# KiCad board ludeled.kicad_pcb (continued)
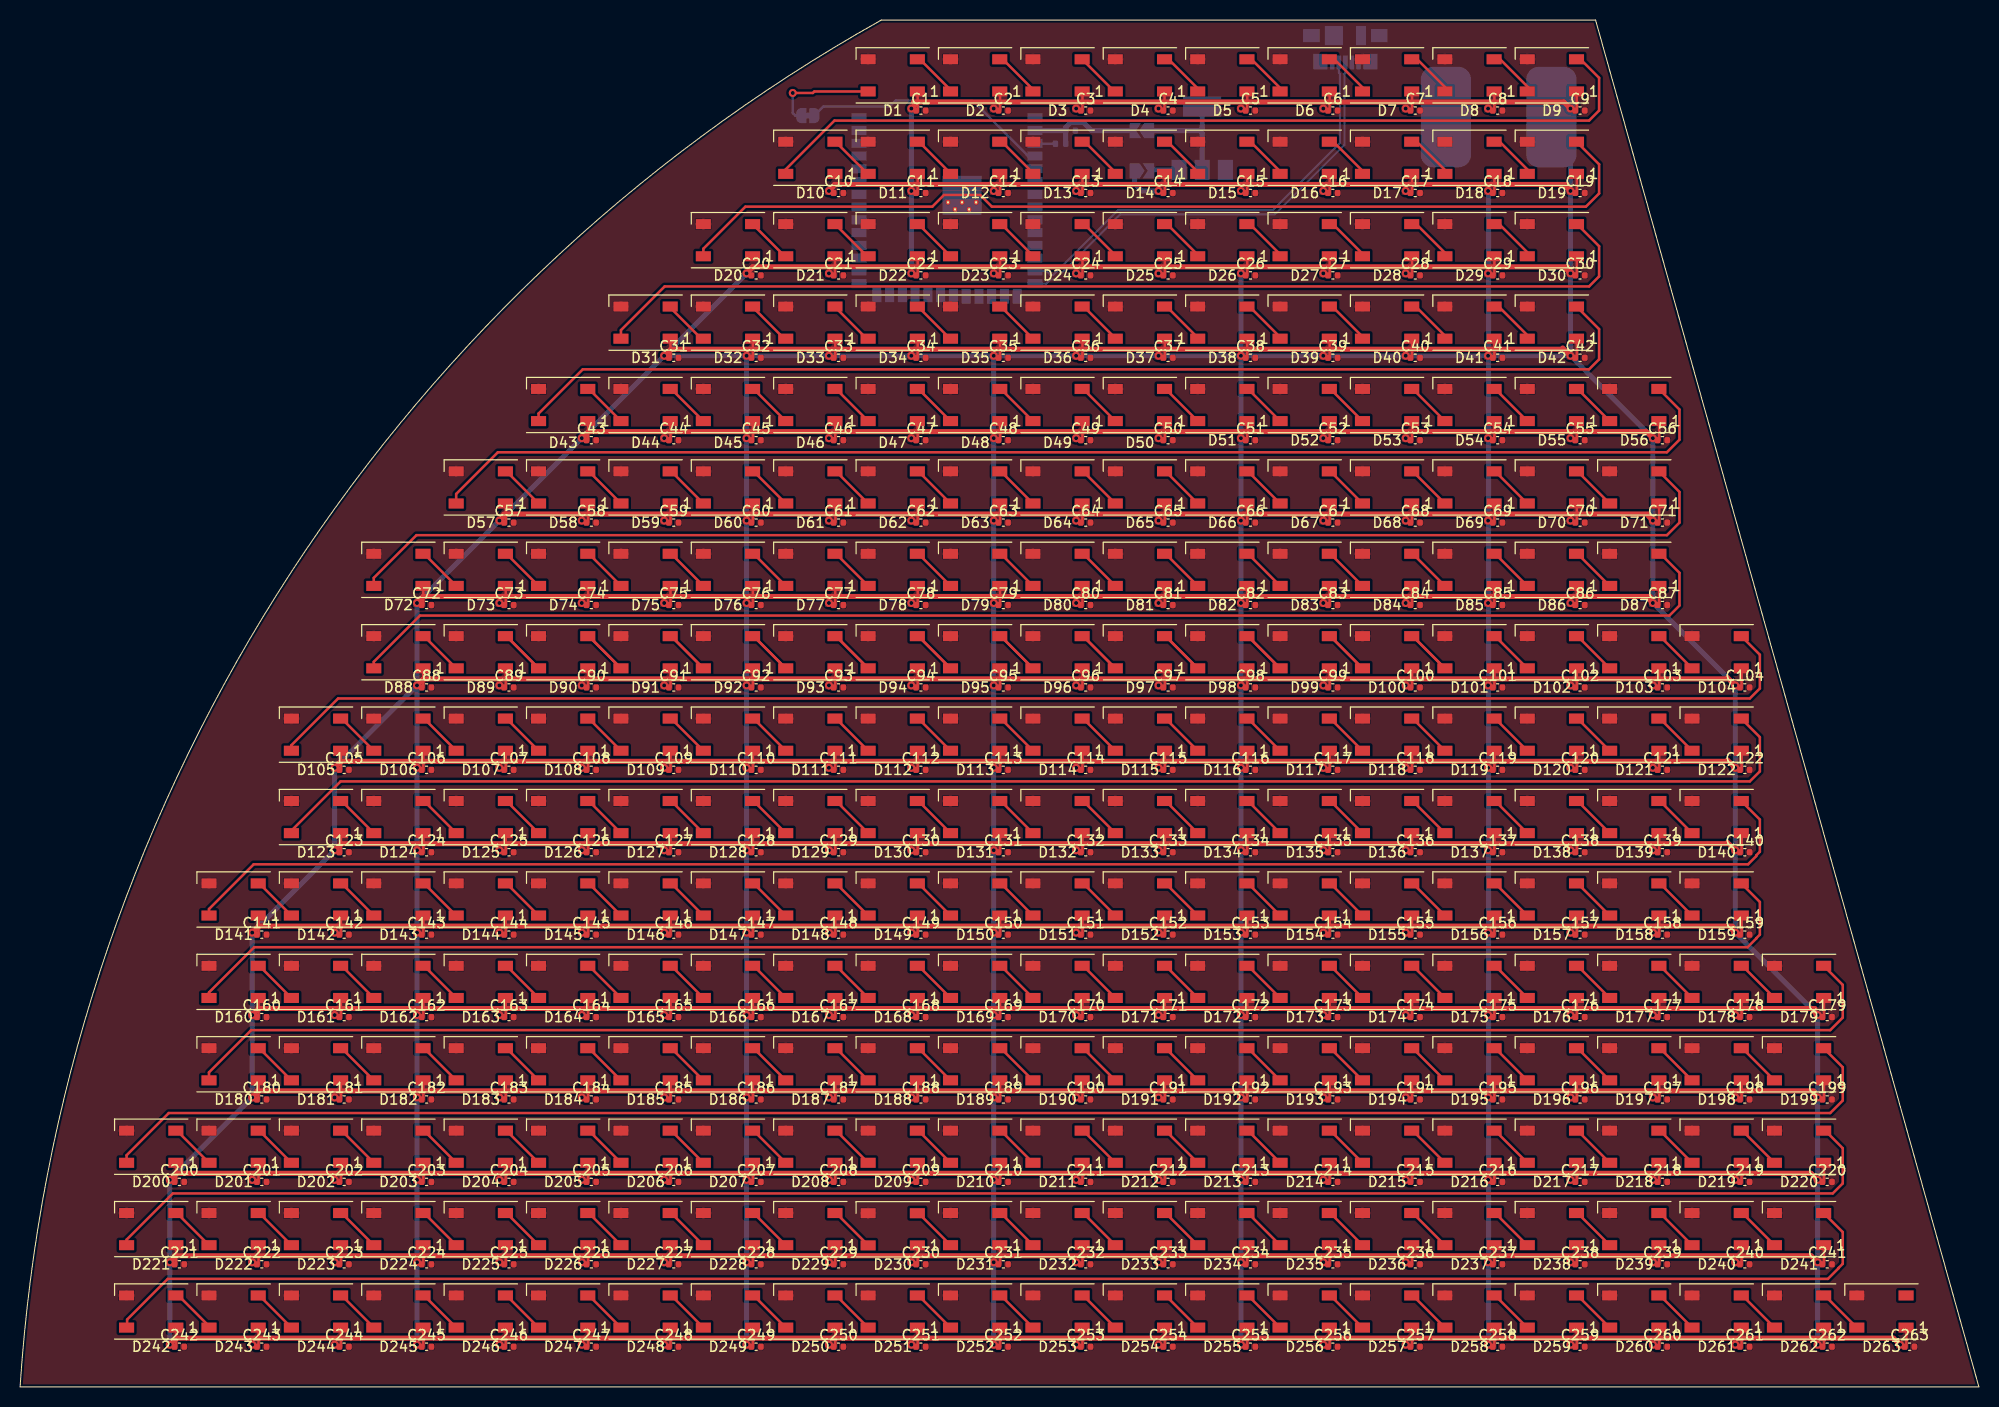
[diagram p0: board, top side]
## Routing (per net, layer and track width the routed paths; a pad name or vN(x,y) marks a point on that pad's centre or on a via; arc(x,y) is an arc through that point) (continued)
  Top w0.25: D127.2 64.8,58.3 D128.4
Net-(D128-Pad2): length 4.6
  Top w0.25: D128.2 73,58.3 D129.4
Net-(D129-Pad2): length 4.6
  Top w0.25: D130.4 81.2,58.3 D129.2
Net-(D130-Pad2): length 4.6
  Top w0.25: D130.2 89.4,58.3 D131.4
Net-(D131-Pad2): length 4.6
  Top w0.25: D131.2 97.6,58.3 D132.4
Net-(D132-Pad2): length 4.6
  Top w0.25: D132.2 105.8,58.3 D133.4
Net-(D133-Pad2): length 4.6
  Top w0.25: D133.2 114,58.3 D134.4
Net-(D134-Pad2): length 4.6
  Top w0.25: D134.2 122.2,58.3 D135.4
Net-(D135-Pad2): length 4.6
  Top w0.25: D136.4 130.4,58.3 D135.2
Net-(D136-Pad2): length 4.6
  Top w0.25: D137.4 138.6,58.3 D136.2
Net-(D137-Pad2): length 4.6
  Top w0.25: D137.2 146.8,58.3 D138.4
Net-(D138-Pad2): length 4.6
  Top w0.25: D138.2 155,58.3 D139.4
Net-(D139-Pad2): length 4.6
  Top w0.25: D139.2 163.2,58.3 D140.4
Net-(D140-Pad2): length 163.2
  Top w0.25: D140.2 173.15,56.45 173.15,53.25 172.79,52.89 172.79,52.82 171.97,52 23.25,52 18.8,47.55 D141.4
Net-(D141-Pad2): length 4.6
  Top w0.25: D142.4 23.8,50.1 D141.2
Net-(D142-Pad2): length 4.6
  Top w0.25: D143.4 32,50.1 D142.2
Net-(D143-Pad2): length 4.6
  Top w0.25: D143.2 40.2,50.1 D144.4
Net-(D144-Pad2): length 4.6
  Top w0.25: D144.2 48.4,50.1 D145.4
Net-(D145-Pad2): length 4.6
  Top w0.25: D146.4 56.6,50.1 D145.2
Net-(D146-Pad2): length 4.6
  Top w0.25: D147.4 64.8,50.1 D146.2
Net-(D147-Pad2): length 4.6
  Top w0.25: D148.4 73,50.1 D147.2
Net-(D148-Pad2): length 4.6
  Top w0.25: D148.2 81.2,50.1 D149.4
Net-(D149-Pad2): length 4.6
  Top w0.25: D149.2 89.4,50.1 D150.4
Net-(D150-Pad2): length 4.6
  Top w0.25: D151.4 97.6,50.1 D150.2
Net-(D151-Pad2): length 4.6
  Top w0.25: D151.2 105.8,50.1 D152.4
Net-(D152-Pad2): length 4.6
  Top w0.25: D152.2 114,50.1 D153.4
Net-(D153-Pad2): length 4.6
  Top w0.25: D153.2 122.2,50.1 D154.4
Net-(D154-Pad2): length 4.6
  Top w0.25: D154.2 130.4,50.1 D155.4
Net-(D155-Pad2): length 4.6
  Top w0.25: D155.2 138.6,50.1 D156.4
Net-(D156-Pad2): length 4.6
  Top w0.25: D157.4 146.8,50.1 D156.2
Net-(D157-Pad2): length 4.6
  Top w0.25: D158.4 155,50.1 D157.2
Net-(D158-Pad2): length 4.6
  Top w0.25: D159.4 163.2,50.1 D158.2
Net-(D159-Pad2): length 163.2
  Top w0.25: D160.4 18.8,39.25 23.3,43.75 171.92,43.75 172.79,44.62 172.79,44.64 173.15,45 173.15,48.25 D159.2
Net-(D160-Pad2): length 4.6
  Top w0.25: D160.2 23.8,41.9 D161.4
Net-(D161-Pad2): length 4.6
  Top w0.25: D162.4 32,41.9 D161.2
Net-(D162-Pad2): length 4.6
  Top w0.25: D163.4 40.2,41.9 D162.2
Net-(D163-Pad2): length 4.6
  Top w0.25: D163.2 48.4,41.9 D164.4
Net-(D164-Pad2): length 4.6
  Top w0.25: D165.4 56.6,41.9 D164.2
Net-(D165-Pad2): length 4.6
  Top w0.25: D166.4 64.8,41.9 D165.2
Net-(D166-Pad2): length 4.6
  Top w0.25: D166.2 73,41.9 D167.4
Net-(D167-Pad2): length 4.6
  Top w0.25: D168.4 81.2,41.9 D167.2
Net-(D168-Pad2): length 4.6
  Top w0.25: D168.2 89.4,41.9 D169.4
Net-(D169-Pad2): length 4.6
  Top w0.25: D170.4 97.6,41.9 D169.2
Net-(D170-Pad2): length 4.6
  Top w0.25: D170.2 105.8,41.9 D171.4
Net-(D171-Pad2): length 4.6
  Top w0.25: D172.4 114,41.9 D171.2
Net-(D172-Pad2): length 4.6
  Top w0.25: D173.4 122.2,41.9 D172.2
Net-(D173-Pad2): length 4.6
  Top w0.25: D174.4 130.4,41.9 D173.2
Net-(D174-Pad2): length 4.6
  Top w0.25: D174.2 138.6,41.9 D175.4
Net-(D175-Pad2): length 4.6
  Top w0.25: D175.2 146.8,41.9 D176.4
Net-(D176-Pad2): length 4.6
  Top w0.25: D176.2 155,41.9 D177.4
Net-(D177-Pad2): length 4.6
  Top w0.25: D178.4 163.2,41.9 D177.2
Net-(D178-Pad2): length 4.6
  Top w0.25: D178.2 171.4,41.9 D179.4
Net-(D179-Pad2): length 171.6
  Top w0.25: D179.2 181.4,40 181.4,36.75 180.15,35.5 23,35.5 18.8,31.3 D180.4
Net-(D180-Pad2): length 4.6
  Top w0.25: D181.4 23.8,33.7 D180.2
Net-(D181-Pad2): length 4.6
  Top w0.25: D181.2 32,33.7 D182.4
Net-(D182-Pad2): length 4.6
  Top w0.25: D182.2 40.2,33.7 D183.4
Net-(D183-Pad2): length 4.6
  Top w0.25: D184.4 48.4,33.7 D183.2
Net-(D184-Pad2): length 4.6
  Top w0.25: D184.2 56.6,33.7 D185.4
Net-(D185-Pad2): length 4.6
  Top w0.25: D186.4 64.8,33.7 D185.2
Net-(D186-Pad2): length 4.6
  Top w0.25: D187.4 73,33.7 D186.2
Net-(D187-Pad2): length 4.6
  Top w0.25: D188.4 81.2,33.7 D187.2
Net-(D188-Pad2): length 4.6
  Top w0.25: D188.2 89.4,33.7 D189.4
Net-(D189-Pad2): length 4.6
  Top w0.25: D190.4 97.6,33.7 D189.2
Net-(D190-Pad2): length 4.6
  Top w0.25: D191.4 105.8,33.7 D190.2
Net-(D191-Pad2): length 4.6
  Top w0.25: D191.2 114,33.7 D192.4
Net-(D192-Pad2): length 4.6
  Top w0.25: D193.4 122.2,33.7 D192.2
Net-(D193-Pad2): length 4.6
  Top w0.25: D193.2 130.4,33.7 D194.4
Net-(D194-Pad2): length 4.6
  Top w0.25: D195.4 138.6,33.7 D194.2
Net-(D195-Pad2): length 4.6
  Top w0.25: D195.2 146.8,33.7 D196.4
Net-(D196-Pad2): length 4.6
  Top w0.25: D197.4 155,33.7 D196.2
Net-(D197-Pad2): length 4.6
  Top w0.25: D197.2 163.2,33.7 D198.4
Net-(D198-Pad2): length 4.6
  Top w0.25: D199.4 171.4,33.7 D198.2
Net-(D199-Pad2): length 179.8
  Top w0.25: D200.4 10.6,23.05 14.8,27.25 180.15,27.25 181.4,28.5 181.4,31.8 D199.2
Net-(D200-Pad2): length 4.6
  Top w0.25: D200.2 15.6,25.5 D201.4
Net-(D201-Pad2): length 4.6
  Top w0.25: D202.4 23.8,25.5 D201.2
Net-(D202-Pad2): length 4.6
  Top w0.25: D202.2 32,25.5 D203.4
Net-(D203-Pad2): length 4.6
  Top w0.25: D204.4 40.2,25.5 D203.2
Net-(D204-Pad2): length 4.6
  Top w0.25: D204.2 48.4,25.5 D205.4
Net-(D205-Pad2): length 4.6
  Top w0.25: D206.4 56.6,25.5 D205.2
Net-(D206-Pad2): length 4.6
  Top w0.25: D206.2 64.8,25.5 D207.4
Net-(D207-Pad2): length 4.6
  Top w0.25: D207.2 73,25.5 D208.4
Net-(D208-Pad2): length 4.6
  Top w0.25: D209.4 81.2,25.5 D208.2
Net-(D209-Pad2): length 4.6
  Top w0.25: D209.2 89.4,25.5 D210.4
Net-(D210-Pad2): length 4.6
  Top w0.25: D210.2 97.6,25.5 D211.4
Net-(D211-Pad2): length 4.6
  Top w0.25: D212.4 105.8,25.5 D211.2
Net-(D212-Pad2): length 4.6
  Top w0.25: D213.4 114,25.5 D212.2
Net-(D213-Pad2): length 4.6
  Top w0.25: D213.2 122.2,25.5 D214.4
Net-(D214-Pad2): length 4.6
  Top w0.25: D214.2 130.4,25.5 D215.4
Net-(D215-Pad2): length 4.6
  Top w0.25: D215.2 138.6,25.5 D216.4
Net-(D216-Pad2): length 4.6
  Top w0.25: D217.4 146.8,25.5 D216.2
Net-(D217-Pad2): length 4.6
  Top w0.25: D218.4 155,25.5 D217.2
Net-(D218-Pad2): length 4.6
  Top w0.25: D218.2 163.2,25.5 D219.4
Net-(D219-Pad2): length 4.6
  Top w0.25: D220.4 171.4,25.5 D219.2
Net-(D220-Pad2): length 179.8
  Top w0.25: D221.4 10.6,14.65 15.2,19.25 180.4,19.25 181.4,20.25 181.4,23.75 179.65,25.5 D220.2
Net-(D221-Pad2): length 4.6
  Top w0.25: D222.4 15.6,17.3 D221.2
Net-(D222-Pad2): length 4.6
  Top w0.25: D223.4 23.8,17.3 D222.2
Net-(D223-Pad2): length 4.6
  Top w0.25: D224.4 32,17.3 D223.2
Net-(D224-Pad2): length 4.6
  Top w0.25: D225.4 40.2,17.3 D224.2
Net-(D225-Pad2): length 4.6
  Top w0.25: D225.2 48.4,17.3 D226.4
Net-(D226-Pad2): length 4.6
  Top w0.25: D226.2 56.6,17.3 D227.4
Net-(D227-Pad2): length 4.6
  Top w0.25: D227.2 64.8,17.3 D228.4
Net-(D228-Pad2): length 4.6
  Top w0.25: D228.2 73,17.3 D229.4
Net-(D229-Pad2): length 4.6
  Top w0.25: 84.4,14.1 81.2,17.3 D229.2
Net-(D230-Pad2): length 4.6
  Top w0.25: 89.3,17.3 89.4,17.3 D231.4
Net-(D231-Pad2): length 4.6
  Top w0.25: D231.2 97.6,17.3 D232.4
Net-(D232-Pad2): length 4.6
  Top w0.25: D233.4 105.8,17.3 D232.2
Net-(D233-Pad2): length 4.6
  Top w0.25: D233.2 114,17.3 D234.4
Net-(D234-Pad2): length 4.6
  Top w0.25: D235.4 122.2,17.3 D234.2
Net-(D235-Pad2): length 4.6
  Top w0.25: D235.2 130.4,17.3 D236.4
Net-(D236-Pad2): length 4.6
  Top w0.25: D237.4 138.6,17.3 D236.2
Net-(D237-Pad2): length 4.6
  Top w0.25: D238.4 146.8,17.3 D237.2
Net-(D238-Pad2): length 4.6
  Top w0.25: D239.4 155,17.3 D238.2
Net-(D239-Pad2): length 4.6
  Top w0.25: D239.2 163.2,17.3 D240.4
Net-(D240-Pad2): length 4.6
  Top w0.25: D240.2 171.4,17.3 D241.4
Net-(D241-Pad2): length 179.5
  Top w0.25: 10.65,6.11 10.65,6.7 14.7,10.75 179.92,10.75 180.99,11.82 180.99,11.84 181.4,12.25 181.4,15.4 D241.2
Net-(D242-Pad2): length 4.7
  Top w0.25: D243.4 18.8,6.05 15.75,9.1 D242.2
Net-(D243-Pad2): length 4.6
  Top w0.25: D243.2 23.8,9.1 D244.4
Net-(D244-Pad2): length 4.6
  Top w0.25: D244.2 32,9.1 D245.4
Net-(D245-Pad2): length 4.6
  Top w0.25: D246.4 40.2,9.1 D245.2
Net-(D246-Pad2): length 4.6
  Top w0.25: D246.2 48.4,9.1 D247.4
Net-(D247-Pad2): length 4.6
  Top w0.25: D247.2 56.6,9.1 D248.4
Net-(D248-Pad2): length 4.6
  Top w0.25: D248.2 64.8,9.1 D249.4
Net-(D249-Pad2): length 4.6
  Top w0.25: D250.4 73,9.1 D249.2
Net-(D250-Pad2): length 4.6
  Top w0.25: D251.4 81.2,9.1 D250.2
Net-(D251-Pad2): length 4.6
  Top w0.25: D252.4 89.4,9.1 D251.2
Net-(D252-Pad2): length 4.6
  Top w0.25: D252.2 97.6,9.1 D253.4
Net-(D253-Pad2): length 4.6
  Top w0.25: D254.4 105.8,9.1 D253.2
Net-(D254-Pad2): length 4.6
  Top w0.25: D254.2 114,9.1 D255.4
Net-(D255-Pad2): length 4.6
  Top w0.25: D255.2 122.2,9.1 D256.4
Net-(D256-Pad2): length 4.6
  Top w0.25: D257.4 130.4,9.1 D256.2
Net-(D257-Pad2): length 4.6
  Top w0.25: D257.2 138.6,9.1 D258.4
Net-(D258-Pad2): length 4.6
  Top w0.25: D259.4 146.8,9.1 D258.2
Net-(D259-Pad2): length 4.6
  Top w0.25: D260.4 155,9.1 D259.2
Net-(D260-Pad2): length 4.6
  Top w0.25: D261.4 163.2,9.1 D260.2
Net-(D261-Pad2): length 4.6
  Top w0.25: D261.2 171.4,9.1 D262.4
Net-(D262-Pad2): length 4.6
  Top w0.25: D263.4 179.6,9.1 D262.2
Net-(R1-Pad2): length 2.1
  Bottom w0.25: U1.3 101.05,123.7 R1.2

## Copper pours and planes (outline as drawn; the poured copper is in the pictures)
+5V on Top: 90.05,95.4 89.55,94.88 89.55,94 88.3,94 88.3,94.6 89.1,95.6 90.05,95.6
+5V on Top: 32.65,54.4 32.15,53.88 32.15,53 30.9,53 30.9,53.6 31.7,54.6 32.65,54.6
+5V on Top: 90.05,13.4 89.55,12.88 89.55,12 88.3,12 88.3,12.6 89.1,13.6 90.05,13.6
+5V on Top: 16.25,21.6 15.75,21.08 15.75,20.2 14.5,20.2 14.5,20.8 15.3,21.8 16.25,21.8
+5V on Top: 172.05,62.6 171.55,62.08 171.55,61.2 170.3,61.2 170.3,61.8 171.1,62.8 172.05,62.8
+5V on Top: 188.45,5.2 187.95,4.68 187.95,3.8 186.7,3.8 186.7,4.4 187.5,5.4 188.45,5.4
+5V on Top: 81.85,79 81.35,78.47 81.35,77.6 80.1,77.6 80.1,78.2 80.9,79.2 81.85,79.2
+5V on Top: 57.25,38 56.75,37.47 56.75,36.6 55.5,36.6 55.5,37.2 56.3,38.2 57.25,38.2
+5V on Top: 90.05,103.6 89.55,103.08 89.55,102.2 88.3,102.2 88.3,102.8 89.1,103.8 90.05,103.8
+5V on Top: 106.45,46.2 105.95,45.67 105.95,44.8 104.7,44.8 104.7,45.4 105.5,46.4 106.45,46.4
+5V on Top: 131.05,46.2 130.55,45.67 130.55,44.8 129.3,44.8 129.3,45.4 130.1,46.4 131.05,46.4
+5V on Top: 163.85,95.4 163.35,94.88 163.35,94 162.1,94 162.1,94.6 162.9,95.6 163.85,95.6
+5V on Top: 65.45,103.6 64.95,103.08 64.95,102.2 63.7,102.2 63.7,102.8 64.5,103.8 65.45,103.8
+5V on Top: 90.05,120 89.55,119.47 89.55,118.6 88.3,118.6 88.3,119.2 89.1,120.2 90.05,120.2
+5V on Top: 90.05,46.2 89.55,45.67 89.55,44.8 88.3,44.8 88.3,45.4 89.1,46.4 90.05,46.4
+5V on Top: 122.85,54.4 122.35,53.88 122.35,53 121.1,53 121.1,53.6 121.9,54.6 122.85,54.6
+5V on Top: 172.05,13.4 171.55,12.88 171.55,12 170.3,12 170.3,12.6 171.1,13.6 172.05,13.6
+5V on Top: 73.65,54.4 73.15,53.88 73.15,53 71.9,53 71.9,53.6 72.7,54.6 73.65,54.6
+5V on Top: 122.85,120 122.35,119.47 122.35,118.6 121.1,118.6 121.1,119.2 121.9,120.2 122.85,120.2
+5V on Top: 90.05,128.2 89.55,127.67 89.55,126.8 88.3,126.8 88.3,127.4 89.1,128.4 90.05,128.4
+5V on Top: 98.25,128.2 97.75,127.67 97.75,126.8 96.5,126.8 96.5,127.4 97.3,128.4 98.25,128.4
+5V on Top: 114.65,95.4 114.15,94.88 114.15,94 112.9,94 112.9,94.6 113.7,95.6 114.65,95.6
+5V on Top: 180.25,5.2 179.75,4.68 179.75,3.8 178.5,3.8 178.5,4.4 179.3,5.4 180.25,5.4
+5V on Top: 32.65,5.2 32.15,4.68 32.15,3.8 30.9,3.8 30.9,4.4 31.7,5.4 32.65,5.4
+5V on Top: 65.45,70.8 64.95,70.28 64.95,69.4 63.7,69.4 63.7,70 64.5,71 65.45,71
+5V on Top: 114.65,21.6 114.15,21.08 114.15,20.2 112.9,20.2 112.9,20.8 113.7,21.8 114.65,21.8
+5V on Top: 155.65,70.8 155.15,70.28 155.15,69.4 153.9,69.4 153.9,70 154.7,71 155.65,71
+5V on Top: 131.05,38 130.55,37.47 130.55,36.6 129.3,36.6 129.3,37.2 130.1,38.2 131.05,38.2
+5V on Top: 172.05,70.8 171.55,70.28 171.55,69.4 170.3,69.4 170.3,70 171.1,71 172.05,71
+5V on Top: 57.25,87.2 56.75,86.67 56.75,85.8 55.5,85.8 55.5,86.4 56.3,87.4 57.25,87.4
+5V on Top: 106.45,128.2 105.95,127.67 105.95,126.8 104.7,126.8 104.7,127.4 105.5,128.4 106.45,128.4
+5V on Top: 114.65,103.6 114.15,103.08 114.15,102.2 112.9,102.2 112.9,102.8 113.7,103.8 114.65,103.8
+5V on Top: 163.85,62.6 163.35,62.08 163.35,61.2 162.1,61.2 162.1,61.8 162.9,62.8 163.85,62.8
+5V on Top: 163.85,87.2 163.35,86.67 163.35,85.8 162.1,85.8 162.1,86.4 162.9,87.4 163.85,87.4
+5V on Top: 98.25,54.4 97.75,53.88 97.75,53 96.5,53 96.5,53.6 97.3,54.6 98.25,54.6
+5V on Top: 106.45,111.8 105.95,111.28 105.95,110.4 104.7,110.4 104.7,111 105.5,112 106.45,112
+5V on Top: 73.65,79 73.15,78.47 73.15,77.6 71.9,77.6 71.9,78.2 72.7,79.2 73.65,79.2
+5V on Top: 106.45,95.4 105.95,94.88 105.95,94 104.7,94 104.7,94.6 105.5,95.6 106.45,95.6
+5V on Top: 147.45,54.4 146.95,53.88 146.95,53 145.7,53 145.7,53.6 146.5,54.6 147.45,54.6
+5V on Top: 24.45,38 23.95,37.47 23.95,36.6 22.7,36.6 22.7,37.2 23.5,38.2 24.45,38.2
+5V on Top: 163.85,46.2 163.35,45.67 163.35,44.8 162.1,44.8 162.1,45.4 162.9,46.4 163.85,46.4
+5V on Top: 65.45,79 64.95,78.47 64.95,77.6 63.7,77.6 63.7,78.2 64.5,79.2 65.45,79.2
+5V on Top: 90.05,111.8 89.55,111.28 89.55,110.4 88.3,110.4 88.3,111 89.1,112 90.05,112
+5V on Top: 155.65,128.2 155.15,127.67 155.15,126.8 153.9,126.8 153.9,127.4 154.7,128.4 155.65,128.4
+5V on Top: 155.65,29.8 155.15,29.28 155.15,28.4 153.9,28.4 153.9,29 154.7,30 155.65,30
+5V on Top: 16.25,13.4 15.75,12.88 15.75,12 14.5,12 14.5,12.6 15.3,13.6 16.25,13.6
+5V on Top: 40.85,62.6 40.35,62.08 40.35,61.2 39.1,61.2 39.1,61.8 39.9,62.8 40.85,62.8
+5V on Top: 73.65,38 73.15,37.47 73.15,36.6 71.9,36.6 71.9,37.2 72.7,38.2 73.65,38.2
+5V on Top: 81.85,21.6 81.35,21.08 81.35,20.2 80.1,20.2 80.1,20.8 80.9,21.8 81.85,21.8
+5V on Top: 106.45,38 105.95,37.47 105.95,36.6 104.7,36.6 104.7,37.2 105.5,38.2 106.45,38.2
+5V on Top: 147.45,87.2 146.95,86.67 146.95,85.8 145.7,85.8 145.7,86.4 146.5,87.4 147.45,87.4
+5V on Top: 131.05,79 130.55,78.47 130.55,77.6 129.3,77.6 129.3,78.2 130.1,79.2 131.05,79.2
+5V on Top: 57.25,21.6 56.75,21.08 56.75,20.2 55.5,20.2 55.5,20.8 56.3,21.8 57.25,21.8
+5V on Top: 122.85,111.8 122.35,111.28 122.35,110.4 121.1,110.4 121.1,111 121.9,112 122.85,112
+5V on Top: 106.45,79 105.95,78.47 105.95,77.6 104.7,77.6 104.7,78.2 105.5,79.2 106.45,79.2
+5V on Top: 24.45,13.4 23.95,12.88 23.95,12 22.7,12 22.7,12.6 23.5,13.6 24.45,13.6
+5V on Top: 40.85,46.2 40.35,45.67 40.35,44.8 39.1,44.8 39.1,45.4 39.9,46.4 40.85,46.4
+5V on Top: 147.45,111.8 146.95,111.28 146.95,110.4 145.7,110.4 145.7,111 146.5,112 147.45,112
+5V on Top: 180.25,38 179.75,37.47 179.75,36.6 178.5,36.6 178.5,37.2 179.3,38.2 180.25,38.2
+5V on Top: 90.05,21.6 89.55,21.08 89.55,20.2 88.3,20.2 88.3,20.8 89.1,21.8 90.05,21.8
+5V on Top: 90.05,38 89.55,37.47 89.55,36.6 88.3,36.6 88.3,37.2 89.1,38.2 90.05,38.2
+5V on Top: 155.65,111.8 155.15,111.28 155.15,110.4 153.9,110.4 153.9,111 154.7,112 155.65,112
+5V on Top: 163.85,29.8 163.35,29.28 163.35,28.4 162.1,28.4 162.1,29 162.9,30 163.85,30
+5V on Top: 172.05,46.2 171.55,45.67 171.55,44.8 170.3,44.8 170.3,45.4 171.1,46.4 172.05,46.4
+5V on Top: 57.25,13.4 56.75,12.88 56.75,12 55.5,12 55.5,12.6 56.3,13.6 57.25,13.6
+5V on Top: 73.65,95.4 73.15,94.88 73.15,94 71.9,94 71.9,94.6 72.7,95.6 73.65,95.6
+5V on Top: 40.85,70.8 40.35,70.28 40.35,69.4 39.1,69.4 39.1,70 39.9,71 40.85,71
+5V on Top: 147.45,128.2 146.95,127.67 146.95,126.8 145.7,126.8 145.7,127.4 146.5,128.4 147.45,128.4
+5V on Top: 155.65,95.4 155.15,94.88 155.15,94 153.9,94 153.9,94.6 154.7,95.6 155.65,95.6
+5V on Top: 114.65,79 114.15,78.47 114.15,77.6 112.9,77.6 112.9,78.2 113.7,79.2 114.65,79.2
+5V on Top: 32.65,62.6 32.15,62.08 32.15,61.2 30.9,61.2 30.9,61.8 31.7,62.8 32.65,62.8
+5V on Top: 114.65,5.2 114.15,4.68 114.15,3.8 112.9,3.8 112.9,4.4 113.7,5.4 114.65,5.4
+5V on Top: 81.85,29.8 81.35,29.28 81.35,28.4 80.1,28.4 80.1,29 80.9,30 81.85,30
+5V on Top: 106.45,120 105.95,119.47 105.95,118.6 104.7,118.6 104.7,119.2 105.5,120.2 106.45,120.2
+5V on Top: 131.05,111.8 130.55,111.28 130.55,110.4 129.3,110.4 129.3,111 130.1,112 131.05,112
+5V on Top: 131.05,62.6 130.55,62.08 130.55,61.2 129.3,61.2 129.3,61.8 130.1,62.8 131.05,62.8
+5V on Top: 98.25,5.2 97.75,4.68 97.75,3.8 96.5,3.8 96.5,4.4 97.3,5.4 98.25,5.4
+5V on Top: 180.25,21.6 179.75,21.08 179.75,20.2 178.5,20.2 178.5,20.8 179.3,21.8 180.25,21.8
+5V on Top: 57.25,70.8 56.75,70.28 56.75,69.4 55.5,69.4 55.5,70 56.3,71 57.25,71
+5V on Top: 40.85,29.8 40.35,29.28 40.35,28.4 39.1,28.4 39.1,29 39.9,30 40.85,30
+5V on Top: 81.85,70.8 81.35,70.28 81.35,69.4 80.1,69.4 80.1,70 80.9,71 81.85,71
+5V on Top: 106.45,5.2 105.95,4.68 105.95,3.8 104.7,3.8 104.7,4.4 105.5,5.4 106.45,5.4
+5V on Top: 114.65,111.8 114.15,111.28 114.15,110.4 112.9,110.4 112.9,111 113.7,112 114.65,112
+5V on Top: 163.85,54.4 163.35,53.88 163.35,53 162.1,53 162.1,53.6 162.9,54.6 163.85,54.6
+5V on Top: 155.65,120 155.15,119.47 155.15,118.6 153.9,118.6 153.9,119.2 154.7,120.2 155.65,120.2
+5V on Top: 131.05,120 130.55,119.47 130.55,118.6 129.3,118.6 129.3,119.2 130.1,120.2 131.05,120.2
+5V on Top: 122.85,95.4 122.35,94.88 122.35,94 121.1,94 121.1,94.6 121.9,95.6 122.85,95.6
+5V on Top: 131.05,54.4 130.55,53.88 130.55,53 129.3,53 129.3,53.6 130.1,54.6 131.05,54.6
+5V on Top: 147.45,120 146.95,119.47 146.95,118.6 145.7,118.6 145.7,119.2 146.5,120.2 147.45,120.2
+5V on Top: 139.25,29.8 138.75,29.28 138.75,28.4 137.5,28.4 137.5,29 138.3,30 139.25,30
+5V on Top: 73.65,5.2 73.15,4.68 73.15,3.8 71.9,3.8 71.9,4.4 72.7,5.4 73.65,5.4
+5V on Top: 73.65,87.2 73.15,86.67 73.15,85.8 71.9,85.8 71.9,86.4 72.7,87.4 73.65,87.4
+5V on Top: 81.85,120 81.35,119.47 81.35,118.6 80.1,118.6 80.1,119.2 80.9,120.2 81.85,120.2
+5V on Top: 98.25,38 97.75,37.47 97.75,36.6 96.5,36.6 96.5,37.2 97.3,38.2 98.25,38.2
+5V on Top: 147.45,13.4 146.95,12.88 146.95,12 145.7,12 145.7,12.6 146.5,13.6 147.45,13.6
+5V on Top: 155.65,87.2 155.15,86.67 155.15,85.8 153.9,85.8 153.9,86.4 154.7,87.4 155.65,87.4
+5V on Top: 49.05,70.8 48.55,70.28 48.55,69.4 47.3,69.4 47.3,70 48.1,71 49.05,71
+5V on Top: 73.65,111.8 73.15,111.28 73.15,110.4 71.9,110.4 71.9,111 72.7,112 73.65,112
+5V on Top: 172.05,5.2 171.55,4.68 171.55,3.8 170.3,3.8 170.3,4.4 171.1,5.4 172.05,5.4
+5V on Top: 81.85,46.2 81.35,45.67 81.35,44.8 80.1,44.8 80.1,45.4 80.9,46.4 81.85,46.4
+5V on Top: 147.45,79 146.95,78.47 146.95,77.6 145.7,77.6 145.7,78.2 146.5,79.2 147.45,79.2
+5V on Top: 40.85,5.2 40.35,4.68 40.35,3.8 39.1,3.8 39.1,4.4 39.9,5.4 40.85,5.4
+5V on Top: 155.65,38 155.15,37.47 155.15,36.6 153.9,36.6 153.9,37.2 154.7,38.2 155.65,38.2
+5V on Top: 114.65,70.8 114.15,70.28 114.15,69.4 112.9,69.4 112.9,70 113.7,71 114.65,71
+5V on Top: 73.65,103.6 73.15,103.08 73.15,102.2 71.9,102.2 71.9,102.8 72.7,103.8 73.65,103.8
+5V on Top: 106.45,54.4 105.95,53.88 105.95,53 104.7,53 104.7,53.6 105.5,54.6 106.45,54.6
+5V on Top: 147.45,38 146.95,37.47 146.95,36.6 145.7,36.6 145.7,37.2 146.5,38.2 147.45,38.2
+5V on Top: 98.25,120 97.75,119.47 97.75,118.6 96.5,118.6 96.5,119.2 97.3,120.2 98.25,120.2
+5V on Top: 122.85,87.2 122.35,86.67 122.35,85.8 121.1,85.8 121.1,86.4 121.9,87.4 122.85,87.4
+5V on Top: 147.45,70.8 146.95,70.28 146.95,69.4 145.7,69.4 145.7,70 146.5,71 147.45,71
+5V on Top: 155.65,21.6 155.15,21.08 155.15,20.2 153.9,20.2 153.9,20.8 154.7,21.8 155.65,21.8
+5V on Top: 139.25,87.2 138.75,86.67 138.75,85.8 137.5,85.8 137.5,86.4 138.3,87.4 139.25,87.4
+5V on Top: 114.65,120 114.15,119.47 114.15,118.6 112.9,118.6 112.9,119.2 113.7,120.2 114.65,120.2
+5V on Top: 172.05,29.8 171.55,29.28 171.55,28.4 170.3,28.4 170.3,29 171.1,30 172.05,30
+5V on Top: 32.65,29.8 32.15,29.28 32.15,28.4 30.9,28.4 30.9,29 31.7,30 32.65,30
+5V on Top: 65.45,46.2 64.95,45.67 64.95,44.8 63.7,44.8 63.7,45.4 64.5,46.4 65.45,46.4
+5V on Top: 57.25,54.4 56.75,53.88 56.75,53 55.5,53 55.5,53.6 56.3,54.6 57.25,54.6
+5V on Top: 155.65,79 155.15,78.47 155.15,77.6 153.9,77.6 153.9,78.2 154.7,79.2 155.65,79.2
+5V on Top: 172.05,54.4 171.55,53.88 171.55,53 170.3,53 170.3,53.6 171.1,54.6 172.05,54.6
+5V on Top: 139.25,79 138.75,78.47 138.75,77.6 137.5,77.6 137.5,78.2 138.3,79.2 139.25,79.2
+5V on Top: 122.85,5.2 122.35,4.68 122.35,3.8 121.1,3.8 121.1,4.4 121.9,5.4 122.85,5.4
+5V on Top: 122.85,70.8 122.35,70.28 122.35,69.4 121.1,69.4 121.1,70 121.9,71 122.85,71
+5V on Top: 131.05,29.8 130.55,29.28 130.55,28.4 129.3,28.4 129.3,29 130.1,30 131.05,30
+5V on Top: 81.85,54.4 81.35,53.88 81.35,53 80.1,53 80.1,53.6 80.9,54.6 81.85,54.6
+5V on Top: 155.65,46.2 155.15,45.67 155.15,44.8 153.9,44.8 153.9,45.4 154.7,46.4 155.65,46.4
+5V on Top: 139.25,111.8 138.75,111.28 138.75,110.4 137.5,110.4 137.5,111 138.3,112 139.25,112
+5V on Top: 57.25,95.4 56.75,94.88 56.75,94 55.5,94 55.5,94.6 56.3,95.6 57.25,95.6
+5V on Top: 49.05,38 48.55,37.47 48.55,36.6 47.3,36.6 47.3,37.2 48.1,38.2 49.05,38.2
+5V on Top: 40.85,13.4 40.35,12.88 40.35,12 39.1,12 39.1,12.6 39.9,13.6 40.85,13.6
+5V on Top: 106.45,13.4 105.95,12.88 105.95,12 104.7,12 104.7,12.6 105.5,13.6 106.45,13.6
+5V on Top: 114.65,62.6 114.15,62.08 114.15,61.2 112.9,61.2 112.9,61.8 113.7,62.8 114.65,62.8
+5V on Top: 131.05,13.4 130.55,12.88 130.55,12 129.3,12 129.3,12.6 130.1,13.6 131.05,13.6
+5V on Top: 49.05,62.6 48.55,62.08 48.55,61.2 47.3,61.2 47.3,61.8 48.1,62.8 49.05,62.8
+5V on Top: 139.25,21.6 138.75,21.08 138.75,20.2 137.5,20.2 137.5,20.8 138.3,21.8 139.25,21.8
+5V on Top: 40.85,54.4 40.35,53.88 40.35,53 39.1,53 39.1,53.6 39.9,54.6 40.85,54.6
+5V on Top: 139.25,103.6 138.75,103.08 138.75,102.2 137.5,102.2 137.5,102.8 138.3,103.8 139.25,103.8
+5V on Top: 163.85,79 163.35,78.47 163.35,77.6 162.1,77.6 162.1,78.2 162.9,79.2 163.85,79.2
+5V on Top: 98.25,79 97.75,78.47 97.75,77.6 96.5,77.6 96.5,78.2 97.3,79.2 98.25,79.2
+5V on Top: 98.25,46.2 97.75,45.67 97.75,44.8 96.5,44.8 96.5,45.4 97.3,46.4 98.25,46.4
+5V on Top: 155.65,5.2 155.15,4.68 155.15,3.8 153.9,3.8 153.9,4.4 154.7,5.4 155.65,5.4
+5V on Top: 49.05,21.6 48.55,21.08 48.55,20.2 47.3,20.2 47.3,20.8 48.1,21.8 49.05,21.8
+5V on Top: 57.25,46.2 56.75,45.67 56.75,44.8 55.5,44.8 55.5,45.4 56.3,46.4 57.25,46.4
+5V on Top: 81.85,13.4 81.35,12.88 81.35,12 80.1,12 80.1,12.6 80.9,13.6 81.85,13.6
+5V on Top: 131.05,5.2 130.55,4.68 130.55,3.8 129.3,3.8 129.3,4.4 130.1,5.4 131.05,5.4
+5V on Top: 106.45,29.8 105.95,29.28 105.95,28.4 104.7,28.4 104.7,29 105.5,30 106.45,30
+5V on Top: 122.85,62.6 122.35,62.08 122.35,61.2 121.1,61.2 121.1,61.8 121.9,62.8 122.85,62.8
+5V on Top: 49.05,54.4 48.55,53.88 48.55,53 47.3,53 47.3,53.6 48.1,54.6 49.05,54.6
+5V on Top: 65.45,29.8 64.95,29.28 64.95,28.4 63.7,28.4 63.7,29 64.5,30 65.45,30
+5V on Top: 131.05,95.4 130.55,94.88 130.55,94 129.3,94 129.3,94.6 130.1,95.6 131.05,95.6
+5V on Top: 32.65,38 32.15,37.47 32.15,36.6 30.9,36.6 30.9,37.2 31.7,38.2 32.65,38.2
+5V on Top: 81.85,5.2 81.35,4.68 81.35,3.8 80.1,3.8 80.1,4.4 80.9,5.4 81.85,5.4
+5V on Top: 147.45,95.4 146.95,94.88 146.95,94 145.7,94 145.7,94.6 146.5,95.6 147.45,95.6
+5V on Top: 180.25,29.8 179.75,29.28 179.75,28.4 178.5,28.4 178.5,29 179.3,30 180.25,30
+5V on Top: 139.25,5.2 138.75,4.68 138.75,3.8 137.5,3.8 137.5,4.4 138.3,5.4 139.25,5.4
+5V on Top: 139.25,54.4 138.75,53.88 138.75,53 137.5,53 137.5,53.6 138.3,54.6 139.25,54.6
+5V on Top: 65.45,54.4 64.95,53.88 64.95,53 63.7,53 63.7,53.6 64.5,54.6 65.45,54.6
+5V on Top: 122.85,21.6 122.35,21.08 122.35,20.2 121.1,20.2 121.1,20.8 121.9,21.8 122.85,21.8
+5V on Top: 90.05,5.2 89.55,4.68 89.55,3.8 88.3,3.8 88.3,4.4 89.1,5.4 90.05,5.4
+5V on Top: 73.65,29.8 73.15,29.28 73.15,28.4 71.9,28.4 71.9,29 72.7,30 73.65,30
+5V on Top: 122.85,29.8 122.35,29.28 122.35,28.4 121.1,28.4 121.1,29 121.9,30 122.85,30
+5V on Top: 114.65,87.2 114.15,86.67 114.15,85.8 112.9,85.8 112.9,86.4 113.7,87.4 114.65,87.4
+5V on Top: 98.25,21.6 97.75,21.08 97.75,20.2 96.5,20.2 96.5,20.8 97.3,21.8 98.25,21.8
+5V on Top: 139.25,120 138.75,119.47 138.75,118.6 137.5,118.6 137.5,119.2 138.3,120.2 139.25,120.2
+5V on Top: 139.25,70.8 138.75,70.28 138.75,69.4 137.5,69.4 137.5,70 138.3,71 139.25,71
+5V on Top: 98.25,87.2 97.75,86.67 97.75,85.8 96.5,85.8 96.5,86.4 97.3,87.4 98.25,87.4
+5V on Top: 73.65,70.8 73.15,70.28 73.15,69.4 71.9,69.4 71.9,70 72.7,71 73.65,71
+5V on Top: 49.05,87.2 48.55,86.67 48.55,85.8 47.3,85.8 47.3,86.4 48.1,87.4 49.05,87.4
+5V on Top: 163.85,70.8 163.35,70.28 163.35,69.4 162.1,69.4 162.1,70 162.9,71 163.85,71
+5V on Top: 114.65,128.2 114.15,127.67 114.15,126.8 112.9,126.8 112.9,127.4 113.7,128.4 114.65,128.4
+5V on Top: 81.85,95.4 81.35,94.88 81.35,94 80.1,94 80.1,94.6 80.9,95.6 81.85,95.6
+5V on Top: 131.05,87.2 130.55,86.67 130.55,85.8 129.3,85.8 129.3,86.4 130.1,87.4 131.05,87.4
+5V on Top: 163.85,38 163.35,37.47 163.35,36.6 162.1,36.6 162.1,37.2 162.9,38.2 163.85,38.2
+5V on Top: 172.05,38 171.55,37.47 171.55,36.6 170.3,36.6 170.3,37.2 171.1,38.2 172.05,38.2
+5V on Top: 24.45,46.2 23.95,45.67 23.95,44.8 22.7,44.8 22.7,45.4 23.5,46.4 24.45,46.4
+5V on Top: 81.85,62.6 81.35,62.08 81.35,61.2 80.1,61.2 80.1,61.8 80.9,62.8 81.85,62.8
